# KiCad board keyboard-with-fingerprint-sensor.kicad_pcb (continued)
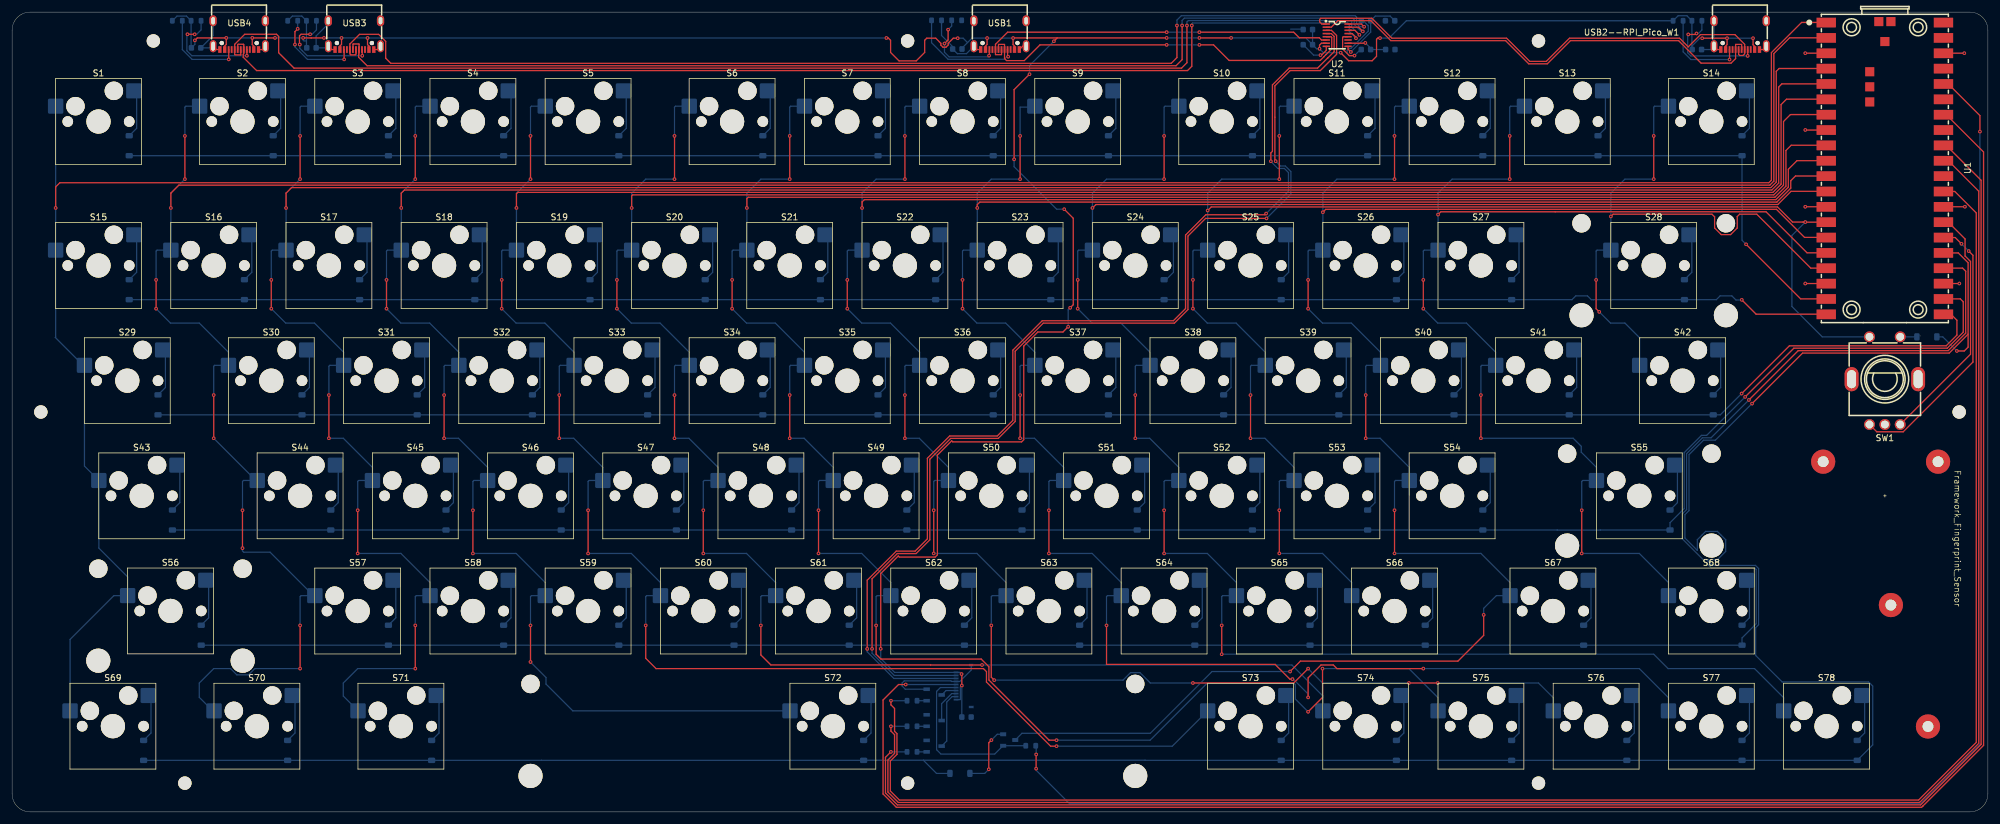
[diagram p0: board, top side]
## Nets (continued)

## Via types
v1: diameter 0.6, hole 0.3, Top to Bottom, 238 vias

## Routing (per net, layer and track width the routed paths; a pad name or vN(x,y) marks a point on that pad's centre or on a via; arc(x,y) is an arc through that point)
+3.3V: length 278.7
  Top w0.2: v1(169.34,7.15) 169.34,9.49 v1(169.35,9.5) ; v1(325.41,112.52) 325.41,115.17 320.17,120.4 U1.36
  Bottom w0.2: v1(169.34,7.15) 169.34,6.89 174.87,1.36 315.59,1.36 325.41,11.18 v1(325.41,112.52) ; R12.2 169.35,10.87 v1(169.35,9.5)
+5V: length 479.8
  Top w0.2: USB1.2 165.76,126.68 165.53,126.92 v1(165.53,128) 165.55,128.02 172.83,128.02 ; v1(144.57,128.01) 144.89,128.01 145.27,127.63 145.27,125.62 146.67,124.22 149.51,124.22 150.91,125.62 150.91,127.63 151.25,127.97 152.74,127.97 153.58,127.13 153.58,126.84 153.93,126.49 154.43,126.49 154.8,126.86 154.8,127.14 155.63,127.97 v1(156.38,127.97) ; USB3.2 59.01,126.68 58.77,126.91 v1(58.77,128.01) ; v1(174.64,80.24) 173.78,79.38 169.62,79.38 167.29,77.05 167.29,61.56 166.94,61.2 155.55,61.2 155.37,61.38 153.02,59.03 153.02,42.52 152.65,42.15 146.72,42.15 146.54,42.33 143.64,39.43 v1(143.64,26.97) ; v1(216.2,126.22) 216.2,126.83 216.51,127.15 U2.7 ; v1(30.23,127.62) 30.62,128.02 v1(35.42,128.02) 35.42,126.94 35.16,126.68 USB4.11 ; 288.12,126.07 288.12,126.65 287.89,126.89 v1(287.89,127.97) ; v1(157.05,20.89) 157.05,22.76 v1(157,22.81) ; v1(43.48,128.02) v1(39.72,128.02) 39.72,126.92 39.96,126.68 USB4.2 ; v1(279.48,127.97) v1(283.59,127.97) 283.59,126.91 283.35,126.68 USB2--RPI_Pico_W1.11 ; v1(161.22,128) 161.22,126.94 160.96,126.68 USB1.11 ; v1(48.12,128.02) 49.46,128.02 49.47,128.02 51.57,128.02 v1(51.58,128.02) ; USB3.11 54.21,126.68 54.48,126.95 v1(54.48,128.01) ; v1(172.28,127.47) 172.83,128.02 ; 172.83,128.02 v1(190.93,128.02) ; v1(174.97,83.38) 175.48,83.89 175.48,98.19 v1(173.98,99.69) ; v1(201.57,128.02) v1(196.32,128.02) ; v1(165.7,107.94) 165.7,119.47 v1(168.25,122.02) ; v1(226.2,128) 225.83,128 225.63,127.8 225.63,124.97 224.9,124.25 221.03,124.25 v1(219.7,125.57)
  Bottom w0.2: v1(219.7,125.57) 216.85,125.57 v1(216.2,126.22) 215.72,126.22 C4.1 ; 277.78,126.68 277.78,126.14 C2.1 ; 277.78,126.68 279.07,127.97 v1(279.48,127.97) ; 277.78,126.68 R4.1 276.95,131.69 275.5,131.69 R3.1 230.56,130.86 227.7,128 v1(226.2,128) ; v1(143.64,26.97) 143.64,25.38 145.94,23.07 FPC1.1 156.73,23.07 v1(157,22.81) ; 157.99,127.25 157.28,127.97 v1(156.38,127.97) ; 157.99,127.25 158.74,128 v1(161.22,128) v1(165.53,128) 165.55,128.02 ; 157.99,127.25 157.08,126.34 C1.1 ; 48.68,127.52 48.68,126.43 C11.1 ; 48.68,127.52 R6.1 47.9,131.63 46.35,131.63 R5.1 ; 48.68,127.52 48.27,127.52 48.12,127.67 v1(48.12,128.02) v1(43.48,128.02) ; v1(168.25,122.02) 168.25,123.44 v1(172.28,127.47) ; v1(283.59,127.97) v1(287.89,127.97) ; v1(144.57,128.01) 144.34,128.01 v1(58.77,128.01) 58.77,128.02 v1(51.58,128.02) ; v1(196.32,128.02) v1(190.93,128.02) ; v1(174.64,80.24) 174.64,83.05 v1(174.97,83.38) ; C4.1 213.93,128.02 v1(201.57,128.02) ; C4.1 C3.1 ; R7.1 27.27,131.63 28.82,131.63 R8.1 29.6,126.43 C12.1 30.23,126.95 v1(30.23,127.62) ; FPC1.10 156.76,18.57 156.81,18.62 156.81,20.65 v1(157.05,20.89) 157.05,20.81 157.05,20.81 C10.1 ; v1(173.98,99.69) 172.73,99.69 165.7,106.72 v1(165.7,107.94) ; v1(35.42,128.02) v1(39.72,128.02)
GND: length 109.9
  Top w0.2: v1(296.52,87.4) 299.98,87.4 U1.18 299.61,87.38 299.59,87.4 ; 319.86,100.09 319.85,100.08 U1.28 319.39,100.1 v1(322.92,100.1) ; USB4.12 33.79,126.1 USB4.14 ; 319.76,125.49 319.75,125.48 U1.38 319.39,125.5 v1(322.82,125.5) ; 299.59,100.1 299.61,100.08 U1.13 299.98,100.1 v1(296.52,100.1) ; USB3.13 60.38,126.1 USB3.1 ; USB2--RPI_Pico_W1.1 289.52,126.1 USB2--RPI_Pico_W1.13 ; USB2--RPI_Pico_W1.12 281.98,126.1 USB2--RPI_Pico_W1.14 ; v1(322,87.4) 319.39,87.4 U1.23 319.75,87.38 319.76,87.39 ; v1(221.97,125.1) 221.12,125.1 220.02,126.2 220.02,128.1 220.13,128.22 U2.12 ; USB4.1 41.33,126.1 USB4.13 ; 299.61,112.78 U1.8 296.54,112.78 v1(296.52,112.8) ; U2.8 217.32,125.97 216.53,125.18 v1(216.35,125.18) ; v1(296.52,125.5) 299.98,125.5 U1.3 299.61,125.48 299.59,125.5 ; USB3.14 52.84,126.1 USB3.12 ; USB1.13 167.11,126.65 USB1.1 ; USB1.12 159.59,126.1 USB1.14
  Bottom w0.2: Q1.2 147.71,20.29 147.18,20.82 147.18,21.32 147.53,21.67 155.26,21.67 155.36,21.57 FPC1.4 156.71,21.57 158.61,23.47 FPC1.11 ; USB1.14 157.81,125.41 156.31,125.41 C1.2 155.53,126.59 153.7,128.42 R1.2 ; 211.43,129.47 213.44,129.47 C3.2 ; C4.2 215.22,125.18 v1(216.35,125.18) ; USB4.14 32.97,126.38 C12.2 33.24,128.41 USB4.14 ; USB3.14 52.02,126.38 C11.2 50.27,128.35 52.29,130.36 USB3.14 ; C5.2 223.44,130.86 223.91,130.39 223.91,130.39 224.21,130.08 224.21,130.08 224.26,130.04 224.26,129.14 221.41,126.3 221.13,126.3 220.78,125.95 220.78,125.45 221.13,125.1 v1(221.97,125.1) 222.97,126.1 C7.2 ; USB2--RPI_Pico_W1.14 USB2--RPI_Pico_W1.14 280.88,126.1 C2.2
/DN: length 64.2
  Top w0.2: v1(196.32,126.87) 198.68,126.87 201.25,124.3 216.31,124.3 216.93,124.91 216.93,124.93 217.28,125.28 217.3,125.28 218.22,126.2 218.22,128.1 218.1,128.22 U2.5 ; USB1.7 163.11,126.9 163.16,126.95 164.06,126.95 164.11,126.9 USB1.5 164.11,124.61 164.45,124.27 167.38,124.27 169.97,126.87 v1(190.93,126.87)
  Bottom w0.2: v1(196.32,126.87) v1(190.93,126.87)
/DN1: length 182.1
  Top w0.2: 208.82,114.91 208.83,114.92 ; v1(207.44,98.17) 197.37,98.17 194.45,95.25 194.45,83.09 192.2,80.84 170.52,80.84 165.88,76.2 165.88,64.58 163.08,61.78 155.21,61.78 151.76,58.33 151.76,45 149.49,42.73 146.38,42.73 142.21,38.56 v1(142.21,26.97) ; U2.3 218.18,129.28 219.02,128.43 219.02,125.31 216.33,122.62 211.35,122.62 208.82,120.09 208.82,107.77 v1(208.95,107.63)
  Bottom w0.2: FPC1.2 145.88,22.57 142.21,26.24 v1(142.21,26.97) ; v1(208.95,107.63) 209.75,106.83 210.55,106.83 211.47,105.91 211.47,102.2 v1(207.44,98.17)
/DN2: length 82.2
  Top w0.2: USB2--RPI_Pico_W1.7 285.5,125.3 285.68,125.12 286.23,125.12 286.5,125.4 USB2--RPI_Pico_W1.5 286.5,126.96 284.89,128.57 279.2,128.57 277.17,126.54 275.74,127.97 257.53,127.97 253.7,124.14 250.97,124.14 247.14,127.97 228.16,127.97 224.86,131.27 216.43,131.27 216.22,131.07 216.22,130.67 216.57,130.33 U2.1
/DN3: length 181.8
  Top w0.2: U2.15 222.66,129.8 v1(223.36,129.1) ; 57.38,126.17 57.38,126.97 57.33,127.02 56.43,127.02 56.38,126.97 56.38,126.17 ; 193.53,130.02 v1(193.47,130.07) 193.47,124.42 192.47,123.42 58.71,123.42 57.3,124.82 57.3,125.32 57.36,125.37 USB3.5
  Bottom w0.2: v1(223.36,129.1) 223.08,129.1 221.93,130.25 221.93,131.02 221.66,131.29 193.84,131.29 193.47,130.92 v1(193.47,130.07)
/DN4: length 199.7
  Top w0.2: U2.13 221.61,128.74 222.23,128.12 v1(222.23,127.97) ; USB4.7 37.31,126.9 37.38,126.97 38.23,126.97 38.31,126.9 USB4.5 38.31,125.4 38.23,125.32 38.23,124.82 40.43,122.62 194.38,122.62 195.07,123.32 v1(195.07,130.07)
  Bottom w0.2: v1(222.23,127.97) 221.12,129.07 221.12,130.22 220.86,130.49 195.21,130.49 195.07,130.35 v1(195.07,130.07)
/DP: length 59.6
  Top w0.2: USB1.6 163.61,125.3 163.56,125.25 162.66,125.25 162.61,125.3 USB1.8 162.61,126.96 164.62,128.97 v1(190.93,128.97) ; U2.6 216.53,127.68 216.16,128.05 212.85,128.05 211.93,128.97 v1(196.32,128.97)
  Bottom w0.2: v1(196.32,128.97) v1(190.93,128.97)
/DP1: length 182.5
  Top w0.2: v1(141.41,26.96) 141.41,38.33 146.21,43.13 149.32,43.13 151.36,45.17 151.36,58.5 155.04,62.18 162.91,62.18 165.48,64.75 165.48,76.37 170.35,81.24 192.03,81.24 194.05,83.26 194.05,95.42 197.4,98.77 207.17,98.77 v1(207.37,98.97) ; v1(208.15,107.62) 208.15,109 208.42,109.26 208.42,120.26 211.18,123.02 215.87,123.02 217.53,124.68 217.55,124.68 218.62,125.75 218.62,128.27 218.15,128.74 U2.4
  Bottom w0.2: v1(207.37,98.97) 211.07,102.67 211.07,105.75 210.38,106.43 209.3,106.43 208.15,107.58 v1(208.15,107.62) ; v1(141.41,26.96) 141.41,26.48 145.81,22.07 FPC1.3
/DP2: length 78.7
  Top w0.2: USB2--RPI_Pico_W1.6 286,126.9 285.95,126.95 285.05,126.95 285,126.9 USB2--RPI_Pico_W1.8 285,124.6 284.25,123.85 279.3,123.85 275.57,127.57 257.7,127.57 253.87,123.74 250.8,123.74 246.97,127.57 227.99,127.57 224.69,130.87 219.22,130.87 218.15,129.8 U2.2
/DP3: length 186.7
  Top w0.2: 56.88,126.17 56.88,125.37 56.73,125.22 56.02,125.22 55.88,125.37 55.88,126.17 ; USB3.8 55.86,127.02 57.45,128.61 60.62,128.61 61.78,127.45 61.78,124.67 61.77,124.67 62.62,123.82 191.68,123.82 192.62,124.77 v1(192.62,130.07) ; U2.16 223.12,130.33 v1(223.57,129.87)
  Bottom w0.2: v1(223.57,129.87) 222.87,129.87 222.32,130.42 222.32,131.47 222.11,131.69 193.34,131.69 192.62,130.97 v1(192.62,130.07)
/DP4: length 205.2
  Top w0.2: v1(222.8,128.53) 222.05,129.28 U2.14 ; USB4.6 37.81,125.25 37.77,125.22 36.88,125.22 36.81,125.3 USB4.8 36.81,126.96 38.47,128.62 43.72,128.62 44.08,128.27 44.08,125.57 46.62,123.02 193.38,123.02 194.28,123.92 v1(194.28,130.07) 194.32,130.02
  Bottom w0.2: 194.27,130.12 v1(194.27,130.07) 194.28,130.67 194.49,130.89 221.36,130.89 221.53,130.72 221.53,129.8 v1(222.8,128.53)
Column 1: length 430.3
  Top w0.2: U1.1 299.97,130.58 295.91,130.58 290.92,125.6 290.92,104.5 290.49,104.07 7.89,104.07 7.2,103.37 v1(7.2,99.9)
  Bottom w0.2: S69.1 9.58,28.52 16.83,35.77 19.11,35.77 ; S1.1 S15.1 7.2,78.53 7.14,78.47 11.75,73.87 S29.1 11.96,57.2 S43.1 14.35,43.64 19.11,38.87 S56.1
Column 2: length 447.7
  Top w0.2: v1(47.62,30.85) v1(47.62,23.7) ; v1(33.34,68.95) v1(33.34,61.8) ; v1(23.81,88) v1(23.81,83.23) ; U1.2 299.97,128.04 293.94,128.04 291.32,125.43 291.32,104.33 290.66,103.67 27.57,103.67 26.25,102.34 v1(26.25,99.9) ; v1(28.57,111.81) v1(28.57,104.67) ; v1(38.1,43.62) v1(38.1,49.9)
  Bottom w0.2: v1(38.1,43.62) 38.1,43.16 38.3,42.96 42.66,42.96 49.85,35.77 S57.1 47.78,35.77 47.62,35.61 v1(47.62,30.85) ; v1(28.57,111.81) 28.57,116.57 28.73,116.73 S2.1 ; v1(23.81,88) 23.81,92.76 23.97,92.92 S16.1 26.25,102.34 v1(28.57,104.67) ; S70.1 33.18,16.72 30.96,18.94 30.96,21.32 33.34,23.7 36.13,23.7 37.16,22.67 39.1,22.67 40.13,23.7 v1(47.62,23.7) ; v1(33.34,68.95) 33.34,73.71 33.5,73.87 S30.1 35.78,76.03 30.96,80.85 26.19,80.85 v1(23.81,83.23) ; v1(33.34,61.8) 40.32,54.82 S44.1 38.26,54.82 38.1,54.66 v1(38.1,49.9)
Column 3: length 421.9
  Top w0.2: v1(66.67,30.85) v1(66.67,23.7) ; v1(52.39,68.95) v1(52.39,61.8) ; v1(42.86,88) v1(42.86,83.23) ; v1(47.62,111.81) v1(47.62,104.67) ; U1.4 299.97,122.96 292.19,122.96 291.72,122.5 291.72,104.17 290.83,103.27 46.23,103.27 45.3,102.34 v1(45.3,99.9) ; v1(57.15,49.9) v1(57.15,42.75)
  Bottom w0.2: S3.1 47.78,116.73 47.62,116.57 v1(47.62,111.81) ; v1(66.67,23.7) 57.15,23.7 54.77,21.32 54.77,19.16 S71.1 ; v1(52.39,68.95) 52.39,73.71 52.55,73.87 S31.1 54.83,76.03 50.01,80.85 45.24,80.85 v1(42.86,83.23) ; v1(52.39,61.8) 54.77,61.8 59.59,56.98 S45.1 57.31,54.82 57.15,54.66 v1(57.15,49.9) ; v1(47.62,104.67) 45.3,102.34 v1(45.3,99.9) S17.1 43.02,92.92 42.86,92.76 v1(42.86,88) ; v1(66.67,30.85) 66.67,35.61 66.83,35.77 S58.1 69.11,37.93 64.29,42.75 v1(57.15,42.75)
Column 4: length 428.3
  Top w0.2: v1(64.35,99.9) 64.35,102.34 64.88,102.87 290.99,102.87 292.12,104 292.12,119.9 292.65,120.42 299.97,120.42 U1.5 ; v1(71.44,68.95) v1(71.44,61.8) ; v1(76.2,49.9) v1(76.2,42.75) ; v1(66.67,111.81) v1(66.67,104.67) ; v1(61.91,88) v1(61.91,83.23) ; v1(85.72,30.85) v1(85.72,24.8)
  Bottom w0.2: v1(85.72,30.85) 85.72,35.61 85.88,35.77 S59.1 88.17,37.93 83.34,42.75 v1(76.2,42.75) ; v1(71.44,68.95) 71.44,73.71 71.6,73.87 S32.1 73.88,76.03 69.06,80.85 64.29,80.85 v1(61.91,83.23) ; v1(61.91,88) 61.91,92.76 62.07,92.92 S18.1 v1(64.35,99.9) 64.35,102.34 v1(66.67,104.67) ; v1(76.2,49.9) 76.2,54.66 76.36,54.82 S46.1 78.64,56.98 73.82,61.8 v1(71.44,61.8) ; v1(66.67,111.81) 66.67,116.57 66.83,116.73 S4.1 ; 128.27,16.56 128.43,16.72 128.65,16.72 92.71,16.72 88.29,21.14 88.29,22.24 v1(85.72,24.8) 85.72,24.67
Column 5: length 460.8
  Top w0.2: v1(104.78,30.85) 104.78,25.41 106.49,23.7 160.63,23.7 161.12,23.2 161.12,21.48 171.73,10.87 v1(172.71,10.87) ; v1(85.72,111.81) v1(85.72,104.67) ; v1(95.25,49.9) v1(95.25,42.75) ; v1(90.49,68.95) v1(90.49,61.8) ; 83.42,99.92 v1(83.4,99.9) 83.4,102.24 83.62,102.47 291.16,102.47 292.52,103.83 292.52,117 293.41,117.88 299.97,117.88 U1.6 ; v1(80.96,88) v1(80.96,83.23)
  Bottom w0.2: S5.1 85.88,116.73 85.72,116.57 v1(85.72,111.81) ; v1(172.71,10.87) 191.85,10.87 197.7,16.72 S73.1 ; v1(95.25,49.9) 95.25,54.66 95.41,54.82 S47.1 97.69,56.98 92.87,61.8 v1(90.49,61.8) ; v1(95.25,42.75) 102.39,42.75 107.22,37.93 S60.1 104.93,35.77 104.78,35.61 v1(104.78,30.85) ; v1(90.49,68.95) 90.49,73.71 90.65,73.87 S33.1 92.93,76.03 88.11,80.85 83.34,80.85 v1(80.96,83.23) ; v1(80.96,88) 80.96,92.76 81.12,92.92 S19.1 v1(83.4,99.9) 83.4,102.34 v1(85.72,104.67)
Column 6: length 439
  Top w0.2: v1(123.82,30.85) 123.82,25.96 125.47,24.31 151.88,24.31 151.89,24.3 v1(160.39,24.3) ; v1(100.01,88) v1(100.01,83.23) ; v1(114.3,49.9) v1(114.3,42.75) ; v1(109.54,111.81) v1(109.54,104.67) ; v1(109.54,68.95) v1(109.54,61.8) ; U1.7 299.97,115.34 294.07,115.34 292.92,114.2 292.92,103.67 291.32,102.07 102.62,102.07 102.45,101.89 v1(102.45,99.9)
  Bottom w0.2: S74.1 216.75,19.17 211.63,24.3 v1(160.39,24.3) ; v1(109.54,68.95) 109.54,73.71 109.7,73.87 S34.1 111.98,76.03 107.16,80.85 102.39,80.85 v1(100.01,83.23) ; 123.98,35.77 S61.1 126.27,37.93 121.44,42.75 v1(114.3,42.75) ; v1(109.54,61.8) 111.92,61.8 116.74,56.98 S48.1 114.46,54.82 114.3,54.66 v1(114.3,49.9) ; v1(123.82,30.85) 123.82,35.61 123.97,35.77 ; S6.1 109.7,116.73 109.54,116.57 v1(109.54,111.81) ; v1(100.01,88) 100.01,92.76 100.17,92.92 S20.1 v1(102.45,99.9) 102.45,102.34 104.78,104.67 v1(109.54,104.67)
Column 7: length 433.8
  Top w0.2: v1(121.5,99.9) 121.5,101.44 121.72,101.67 291.49,101.67 293.32,103.5 293.32,109.4 294.19,110.26 299.97,110.26 U1.9 ; v1(214.31,16.56) 216.69,18.94 v1(216.69,23.7) ; v1(128.59,111.81) v1(128.59,104.67) ; v1(119.06,88) v1(119.06,83.23) ; v1(172.71,11.86) 171.49,11.86 ; 171.49,11.86 161.53,21.82 161.53,24.01 160.25,25.28 143.68,25.28 142.88,26.08 v1(142.88,30.85) ; 171.49,11.86 171.48,11.86 ; v1(128.59,68.95) v1(128.59,61.8) ; v1(133.35,49.9) v1(133.35,42.75)
  Bottom w0.2: v1(119.06,83.23) 121.44,80.85 126.21,80.85 131.03,76.03 S35.1 128.75,73.87 128.59,73.71 v1(128.59,68.95) ; v1(172.71,11.86) 188.18,11.86 197.64,21.32 211.93,21.32 212.2,21.05 212.2,18.67 v1(214.31,16.56) ; v1(128.59,104.67) 123.83,104.67 121.5,102.34 v1(121.5,99.9) S21.1 119.22,92.92 119.06,92.76 v1(119.06,88) ; v1(133.35,49.9) 133.35,54.66 133.51,54.82 S49.1 135.79,56.98 130.97,61.8 v1(128.59,61.8) ; v1(128.59,111.81) 128.59,116.57 128.75,116.73 S7.1 ; S75.1 235.8,18.88 230.98,23.7 v1(216.69,23.7) ; v1(133.35,42.75) 140.49,42.75 145.31,37.93 S62.1 143.03,35.77 142.88,35.61 v1(142.88,30.85)
Column 8: length 397.7
  Top w0.2: v1(140.55,99.9) 140.55,100.89 140.93,101.27 291.65,101.27 293.72,103.34 293.72,106.3 295.15,107.72 299.97,107.72 U1.10 ; v1(147.64,111.81) v1(147.64,104.67) ; v1(230.98,21.32) v1(235.74,21.32) ; v1(138.11,88) v1(138.11,83.23) ; v1(161.93,30.85) 161.93,22.27 v1(162.4,21.8) ; v1(214.31,23.7) 211.93,21.32 v1(195.26,21.32) ; v1(147.64,68.95) v1(147.64,61.8) ; v1(152.4,49.9) v1(152.4,42.75)
  Bottom w0.2: v1(235.74,21.32) 252.41,21.32 254.85,18.88 S76.1 ; v1(214.31,23.7) 216.69,21.32 v1(230.98,21.32) ; v1(138.11,83.23) 140.49,80.85 145.26,80.85 150.08,76.03 S36.1 147.8,73.87 147.64,73.71 v1(147.64,68.95) ; v1(147.64,61.8) 150.02,61.8 154.84,56.98 S50.1 152.56,54.82 152.4,54.66 v1(152.4,49.9) ; v1(162.4,21.8) 183.71,21.8 184.95,23.04 186.5,23.04 188.22,21.32 v1(195.26,21.32) ; v1(147.64,111.81) 147.64,116.57 147.8,116.73 S8.1 ; v1(138.11,88) 138.11,92.76 138.27,92.92 S22.1 140.55,102.34 142.88,104.67 v1(147.64,104.67) ; v1(152.4,42.75) 159.54,42.75 164.37,37.93 S63.1 162.08,35.77 161.93,35.61 v1(161.93,30.85)
Column 9: length 378.7
  Top w0.2: v1(233.36,23.7) 219.07,23.7 218.47,24.3 216.45,24.3 214.31,22.17 v1(214.31,18.94) ; v1(166.69,68.95) v1(166.69,61.8) ; U1.11 299.97,105.18 294.91,105.18 294.12,104.4 294.12,103.17 291.82,100.87 160.03,100.87 159.6,100.44 v1(159.6,99.9) ; v1(171.45,49.9) v1(171.45,42.75) ; v1(211.72,21.96) 211.29,21.96 208.86,24.4 180.97,24.4 v1(180.97,30.85) ; v1(166.69,111.81) v1(166.69,104.67) ; v1(157.16,88) v1(157.16,83.23)
  Bottom w0.2: v1(166.69,104.67) 161.93,104.67 159.6,102.34 v1(159.6,99.9) S23.1 157.32,92.92 157.16,92.76 v1(157.16,88) ; v1(166.69,68.95) 166.69,73.71 166.85,73.87 S37.1 169.13,76.03 164.31,80.85 159.54,80.85 v1(157.16,83.23) ; v1(180.97,30.85) 180.97,35.61 181.13,35.77 S64.1 183.41,37.93 178.59,42.75 v1(171.45,42.75) ; v1(166.69,61.8) 169.07,61.8 173.89,56.98 S51.1 171.61,54.82 171.45,54.66 v1(171.45,49.9) ; v1(233.36,23.7) 269.08,23.7 273.9,18.88 S77.1 ; v1(211.72,21.96) 211.86,21.96 214.31,19.51 v1(214.31,18.94) ; S9.1 168.97,116.57 166.69,116.57 v1(166.69,111.81)
Column 10: length 354.7
  Top w0.2: v1(185.74,68.95) v1(185.74,61.8) ; U1.12 299.97,102.64 294.16,102.64 291.98,100.47 179.22,100.47 v1(178.65,99.9) ; v1(190.5,49.9) v1(190.5,42.75) ; v1(200.03,30.85) v1(200.03,26.08) ; v1(176.21,88) v1(176.21,83.23) ; v1(190.5,111.81) v1(190.5,104.67)
  Bottom w0.2: v1(176.21,83.23) 178.59,80.85 183.36,80.85 188.18,76.03 S38.1 185.9,73.87 185.74,73.71 v1(185.74,68.95) ; v1(190.5,104.67) 180.97,104.67 178.65,102.34 v1(178.65,99.9) S24.1 176.37,92.92 176.21,92.76 v1(176.21,88) ; v1(185.74,61.8) 188.12,61.8 192.94,56.98 S52.1 190.66,54.82 190.5,54.66 v1(190.5,49.9) ; v1(200.03,26.08) 271.46,26.08 273.84,23.7 288.13,23.7 292.95,18.88 S78.1 ; v1(190.5,111.81) 190.5,116.57 190.66,116.73 S10.1 ; v1(200.03,30.85) 200.03,35.61 200.18,35.77 S65.1 202.47,37.93 197.64,42.75 v1(190.5,42.75)
Column 11: length 255.5
  Top w0.2: v1(197.7,99.47) 198.3,100.07 291.92,100.07 294.43,97.56 296.18,97.56 296.18,97.54 U1.14 ; v1(195.26,88) v1(195.26,83.23) ; v1(204.79,68.95) v1(204.79,61.8) ; v1(209.55,111.81) v1(209.55,104.67) ; v1(209.55,49.9) v1(209.55,42.75)
  Bottom w0.2: v1(204.79,68.95) 204.79,73.71 204.95,73.87 S39.1 207.23,76.03 202.41,80.85 197.64,80.85 v1(195.26,83.23) ; v1(209.55,104.67) 200.03,104.67 197.7,102.34 S25.1 195.42,92.92 195.26,92.76 v1(195.26,88) ; v1(209.55,42.75) 216.69,42.75 221.52,37.93 S66.1 ; S11.1 209.71,116.73 209.55,116.57 v1(209.55,111.81) ; v1(204.79,61.8) 207.17,61.8 211.99,56.98 S53.1 209.71,54.82 209.55,54.66 v1(209.55,49.9) ; v1(296.52,97.56) 296.52,97.56 294.32,95.35 294.32,83.6 299.34,78.58 SW1.D
Column 12: length 313.7
  Top w0.2: U1.15 299.97,95.02 296.4,95.02 291.76,99.67 217.22,99.67 v1(216.75,99.2) ; v1(228.6,49.9) v1(228.6,42.75) ; v1(223.84,68.95) v1(223.84,61.8) ; v1(211.33,23.22) 213.05,24.94 239.09,24.94 243.35,29.2 v1(243.35,32.59) ; v1(214.31,88) v1(214.31,83.23) ; v1(228.6,111.81) v1(228.6,104.67)
  Bottom w0.2: v1(211.33,23.22) 198.43,23.22 188.21,13 167,13 Q4.3 ; S54.1 228.76,54.82 228.6,54.66 v1(228.6,49.9) ; S54.1 231.04,52.44 S54.1 ; S54.1 231.04,56.98 226.22,61.8 v1(223.84,61.8) ; v1(223.84,68.95) 223.84,73.71 224,73.87 S40.1 226.28,76.03 221.46,80.85 216.69,80.85 v1(214.31,83.23) ; v1(228.6,111.81) 228.6,116.57 228.76,116.73 S12.1 ; v1(243.35,32.59) 243.35,33.67 245.44,35.77 S67.1 247.71,37.93 242.89,42.75 v1(228.6,42.75) ; v1(228.6,104.67) 219.07,104.67 216.75,102.34 v1(216.75,99.2) S26.1 214.47,92.92 214.31,92.76 v1(214.31,88)
Column 13: length 204.3
  Top w0.2: v1(247.65,111.81) v1(247.65,104.67) ; v1(233.36,88) v1(233.36,83.23) ; U1.16 299.97,92.48 296.82,92.48 290.03,99.27 255.13,99.27 ; 255.22,99.27 236.27,99.27 v1(235.8,98.8) ; v1(259.56,49.9) v1(259.56,42.75) ; v1(242.89,68.95) v1(242.89,61.8)
  Bottom w0.2: v1(259.56,42.75) 269.08,42.75 273.9,37.93 S68.1 ; v1(259.56,49.9) 259.56,54.66 259.71,54.82 S55.1 262,56.98 259.48,59.5 259.48,60.47 258.14,61.8 v1(242.89,61.8) ; v1(247.65,111.81) 247.65,116.57 247.81,116.73 S13.1 ; v1(233.36,88) 233.36,92.76 233.52,92.92 S27.1 v1(235.8,98.8) 235.8,102.23 235.74,102.28 238.12,104.67 v1(247.65,104.67) ; v1(242.89,68.95) 242.89,73.71 243.05,73.87 S41.1 245.33,76.03 240.51,80.85 235.74,80.85 v1(233.36,83.23)
Column 14: length 102.1
  Top w0.2: v1(262.46,82.71) 261.94,83.23 v1(261.94,88) ; 299.97,89.94 297.43,89.94 288.51,98.87 285.67,98.87 285.27,98.47 285.27,96.59 284.18,95.49 282.62,95.49 281.53,96.59 281.53,98.43 281.09,98.87 264.75,98.87 v1(264.38,98.5) ; v1(271.46,111.81) v1(271.46,104.67)
  Bottom w0.2: v1(262.46,82.71) 264.32,80.85 266.7,80.85 269.14,78.41 S42.1 ; v1(271.46,111.81) 271.46,116.57 271.62,116.73 S14.1 ; v1(271.46,104.67) 266.7,104.67 264.38,102.34 v1(264.38,98.5) S28.1 262.1,92.92 261.94,92.76 v1(261.94,88)
Fprint LED Green MCU: length 298.6
  Top w0.2: v1(145.33,14.16) 145.33,13.37 145.93,12.77 145.93,9.68 144.83,8.58 144.83,3.29 146.56,1.56 315.43,1.56 325.21,11.34 325.21,102.67 320.17,107.7 U1.31
  Bottom w0.2: 147.99,14.16 v1(145.33,14.16)
Fprint LED Red MCU: length 297.9
  Top w0.2: U1.32 319.83,110.24 325.61,104.47 325.61,11.17 315.6,1.16 146.39,1.16 144.43,3.13 144.43,9.03 v1(145.33,9.93)
  Bottom w0.2: v1(145.33,9.93) 147.99,9.93
Fprint LED White MCU: length 297.1
  Top w0.2: U1.29 321.25,102.62 324.81,99.07 324.81,11.5 315.27,1.96 146.72,1.96 145.23,3.46 145.23,8.42 146.33,9.52 146.33,12.94 145.93,13.34 145.93,17.11 145.33,17.71 145.33,18.39 145.34,18.4
  Bottom w0.2: 147.99,18.39 v1(145.34,18.39)
Fprint Switch: length 28.7
  Bottom w0.2: R12.1 Q4.1 163.86,10.94 162.49,9.57 153.59,9.57 152.88,10.28 152.88,19.94 153.51,20.57 FPC1.6
Fprint Switch Row: length 10.8
  Top w0.2: v1(161.51,7.04) 161.51,11.44 v1(161.95,11.88)
  Bottom w0.2: Q4.2 162.91,12.84 v1(161.95,11.88) ; D80.2 160.84,6.37 v1(161.51,7.04)
Fprint Touch: length 323.2
  Top w0.2: U1.34 319.83,115.32 326.01,109.15 326.01,11 315.96,0.96 315.76,0.76 146.23,0.76 144.03,2.96 144.03,18.52 146.58,21.07 147.77,21.07 v1(147.78,21.07)
  Bottom w0.2: v1(147.78,21.07) FPC1.5
K_O: length 2.8
  Bottom w0.2: D79.2 SW1.E
Knob_A: length 46.1
  Top w0.2: U1.26 321.32,95 v1(322.35,93.97) ; v1(323.55,92.77) 324.25,92.07 324.25,74.41 312.72,62.88 308.34,62.88 SW1.A
  Bottom w0.2: v1(323.55,92.77) v1(322.35,93.97)
Knob_B: length 40.6
  Top w0.2: U1.27 320.17,97.54 322.95,94.77 322.95,91.95 323.85,91.05 323.85,75.7 SW1.B
LED Green: length 5.9
  Bottom w0.2: Q2.3 153.72,17.91 155.38,19.57 FPC1.8
LED Red: length 9.6
  Bottom w0.2: FPC1.9 155.46,19.07 154.55,18.17 154.55,11.72 Q3.3
LED White: length 2.7
  Bottom w0.2: FPC1.7 154.45,20.07 Q1.3
Row 1: length 298.6
  Top w0.2: v1(286.74,93.88) 295.76,84.86 299.97,84.86 U1.19
  Bottom w0.2: D1.1 D14.1 286.07,94.55 v1(286.74,93.88)
Row 2: length 282.7
  Top w0.2: U1.20 299.97,82.32 288.4,82.32 v1(286.02,84.7)
  Bottom w0.2: v1(286.02,84.7) 286,84.67 285.06,84.67 284.38,85.35 282.44,85.35 281.82,84.73 D28.1 261.53,84.73 261.53,84.72 261.14,84.72 260.51,85.35 258.57,85.35 257.94,84.73 D27.1 D15.1
Row 3: length 308.1
  Top w0.2: v1(286,69.2) 293.9,77.1 319.83,77.1 321.6,78.87 321.6,81.32 320.6,82.32 319.4,82.32 U1.21
  Bottom w0.2: D29.1 D42.1 282.48,65.68 v1(286,69.2) 286.02,69.2
Row 4: length 324.3
  Top w0.2: v1(286.58,68.65) 294.63,76.7 319.99,76.7 322.65,79.35 322.65,84.37 322.16,84.86 319.4,84.86 U1.22
  Bottom w0.2: D43.1 D54.1 255.5,46.63 255.51,46.62 262.63,46.62 262.63,46.63 D55.1 274.16,47.83 276.5,50.17 276.5,59.42 279.36,62.28 280.22,62.28 v1(286.58,68.65)
Row 5: length 365.5
  Top w0.2: v1(287.2,68.14) 295.36,76.3 320.16,76.3 323.05,79.19 323.05,89.44 322.55,89.94 319.4,89.94 U1.24
  Bottom w0.2: v1(287.2,68.14) 280.94,61.88 279.52,61.88 276.9,59.26 276.9,50 276.22,49.33 276.22,45.13 280.99,40.37 288.13,40.37 288.4,40.1 288.4,31.12 286.07,28.78 D68.1 286.06,27.57 31.28,27.57 D56.1
Row 6: length 457
  Top w0.2: v1(287.73,67.54) 296.09,75.9 320.32,75.9 323.45,79.02 323.45,90.84 321.83,92.46 U1.25 ; 323.45,79.01 323.45,76.88 322.82,76.24 v1(321.6,76.24)
  Bottom w0.2: 150.69,8.55 152.86,6.37 D80.1 ; 150.69,8.55 187.35,8.55 187.38,8.52 187.38,8.53 D73.1 D78.1 307.68,11.09 307.68,20.82 307,21.5 292.7,21.5 288.33,25.87 288.33,30.48 288.8,30.95 288.8,40.26 288.3,40.77 281.15,40.77 280.22,41.71 281.99,41.71 283.36,43.08 283.36,45.02 281.99,46.4 280.05,46.4 278.68,45.02 278.68,43.25 276.62,45.3 276.62,49.17 277.3,49.84 277.3,59.09 279.69,61.48 281.65,61.48 287.71,67.54 v1(287.73,67.54) ; 150.69,8.55 140.83,8.55 D72.1 87.56,8.53 87.55,8.52 87.54,8.53 D71.1 D69.1 ; v1(321.6,76.24) 319.26,78.58 D79.1
Net-(D1-A): length 8.1
  Bottom w0.2: D1.2 20.59,113.07 20.59,118.81 S1.2
Net-(D2-A): length 8.1
  Bottom w0.2: S2.2 44.41,118.81 44.41,113.07 D2.2
Net-(D3-A): length 8.1
  Bottom w0.2: D3.2 63.45,113.07 63.45,118.81 S3.2
Net-(D4-A): length 8.1
  Bottom w0.2: D4.2 82.5,113.07 82.5,118.81 S4.2
Net-(D5-A): length 8.1
  Bottom w0.2: S5.2 101.56,118.81 101.56,113.07 D5.2
Net-(D6-A): length 8.1
  Bottom w0.2: D6.2 125.37,113.07 125.37,118.81 S6.2
Net-(D7-A): length 8.1
  Bottom w0.2: D7.2 144.42,113.07 144.42,118.81 S7.2
Net-(D8-A): length 8.1
  Bottom w0.2: S8.2 163.47,118.81 163.47,113.07 D8.2
Net-(D9-A): length 8.1
  Bottom w0.2: S9.2 182.52,118.81 182.52,113.07 D9.2
Net-(D10-A): length 8.1
  Bottom w0.2: D10.2 206.33,113.07 206.33,118.81 S10.2
Net-(D11-A): length 8.1
  Bottom w0.2: D11.2 225.38,113.07 225.38,118.81 S11.2
Net-(D12-A): length 8.1
  Bottom w0.2: D12.2 244.43,113.07 244.43,118.81 S12.2
Net-(D13-A): length 8.1
  Bottom w0.2: D13.2 263.48,113.07 263.48,118.81 S13.2
Net-(D14-A): length 8.1
  Bottom w0.2: S14.2 287.29,118.81 287.29,113.07 D14.2
Net-(D15-A): length 8.1
  Bottom w0.2: S15.2 20.59,95 20.59,89.25 D15.2
Net-(D16-A): length 8.1
  Bottom w0.2: S16.2 39.64,95 39.64,89.25 D16.2
Net-(D17-A): length 8.1
  Bottom w0.2: S17.2 58.69,95 58.69,89.25 D17.2
Net-(D18-A): length 8.1
  Bottom w0.2: S18.2 77.74,95 77.74,89.25 D18.2
Net-(D19-A): length 8.1
  Bottom w0.2: D19.2 96.79,89.25 96.79,95 S19.2
Net-(D20-A): length 8.1
  Bottom w0.2: S20.2 115.84,95 115.84,89.25 D20.2
Net-(D21-A): length 8.1
  Bottom w0.2: D21.2 134.89,89.25 134.89,95 S21.2
Net-(D22-A): length 8.1
  Bottom w0.2: D22.2 153.94,89.25 153.94,95 S22.2
Net-(D23-A): length 8.1
  Bottom w0.2: S23.2 172.99,95 172.99,89.25 D23.2
Net-(D24-A): length 8.1
  Bottom w0.2: S24.2 192.04,95 192.04,89.25 190.82,88.03
Net-(D25-A): length 8.1
  Bottom w0.2: D25.2 211.09,89.25 211.09,95 S25.2
Net-(D26-A): length 8.1
  Bottom w0.2: D26.2 230.14,89.25 230.14,95 S26.2
Net-(D27-A): length 8.1
  Bottom w0.2: S27.2 249.19,95 249.19,89.25 D27.2
Net-(D28-A): length 8.1
  Bottom w0.2: S28.2 277.77,95 277.77,89.25 D28.2
Net-(D29-A): length 8.1
  Bottom w0.2: S29.2 25.35,75.95 25.35,70.2 D29.2
Net-(D30-A): length 8.1
  Bottom w0.2: S30.2 49.17,75.95 49.17,70.2 D30.2
Net-(D31-A): length 8.1
  Bottom w0.2: D31.2 68.22,70.2 68.22,75.95 S31.2
Net-(D32-A): length 8.1
  Bottom w0.2: D32.2 87.27,70.2 87.27,75.95 S32.2
Net-(D33-A): length 8.1
  Bottom w0.2: S33.2 106.32,75.95 106.32,70.2 D33.2
Net-(D34-A): length 8.1
  Bottom w0.2: S34.2 125.37,75.95 125.37,70.2 D34.2
Net-(D35-A): length 8.1
  Bottom w0.2: S35.2 144.42,75.95 144.42,70.2 D35.2
Net-(D36-A): length 8.1
  Bottom w0.2: D36.2 163.47,70.2 163.47,75.95 S36.2
Net-(D37-A): length 8.1
  Bottom w0.2: S37.2 182.52,75.95 182.52,70.2 D37.2
Net-(D38-A): length 8.1
  Bottom w0.2: S38.2 201.57,75.95 201.57,70.2 D38.2
Net-(D39-A): length 8.1
  Bottom w0.2: D39.2 220.62,70.2 220.62,75.95 S39.2
Net-(D40-A): length 8.1
  Bottom w0.2: S40.2 239.67,75.95 239.67,70.2 D40.2
Net-(D41-A): length 8.1
  Bottom w0.2: D41.2 258.72,70.2 258.72,75.95 S41.2
Net-(D42-A): length 8.1
  Bottom w0.2: D42.2 282.53,70.2 282.53,75.95 S42.2
Net-(D43-A): length 8.1
  Bottom w0.2: S43.2 27.74,56.9 27.74,51.15 D43.2
Net-(D44-A): length 8.1
  Bottom w0.2: S44.2 53.93,56.9 53.93,51.15 D44.2
Net-(D45-A): length 8.1
  Bottom w0.2: S45.2 72.98,56.9 72.98,51.15 D45.2
Net-(D46-A): length 8.1
  Bottom w0.2: S46.2 92.03,56.9 92.03,51.15 D46.2
Net-(D47-A): length 8.1
  Bottom w0.2: S47.2 111.08,56.9 111.08,51.15 D47.2
Net-(D48-A): length 8.1
  Bottom w0.2: D48.2 130.13,51.15 130.13,56.9 S48.2
Net-(D49-A): length 8.1
  Bottom w0.2: D49.2 149.18,51.15 149.18,56.9 S49.2
Net-(D50-A): length 8.1
  Bottom w0.2: D50.2 168.23,51.15 168.23,56.9 S50.2
Net-(D51-A): length 8.1
  Bottom w0.2: S51.2 187.28,56.9 187.28,51.15 D51.2
Net-(D52-A): length 8.1
  Bottom w0.2: D52.2 206.33,51.15 206.33,56.9 S52.2
Net-(D53-A): length 8.1
  Bottom w0.2: S53.2 225.38,56.9 225.38,51.15 D53.2
